# Altium PCB 10515.0462_全联供主板(2拼版)_V1.0.PcbDoc (part 13 of 18)
Units mm, origin at the board's own origin, x right, y up, seen from the top; angles counter-clockwise.
Board outline 282 x 198 mm, 2 copper layers (Top Layer, Bottom Layer); 716 components, 0 nets, 2364 pads, 1800 vias.
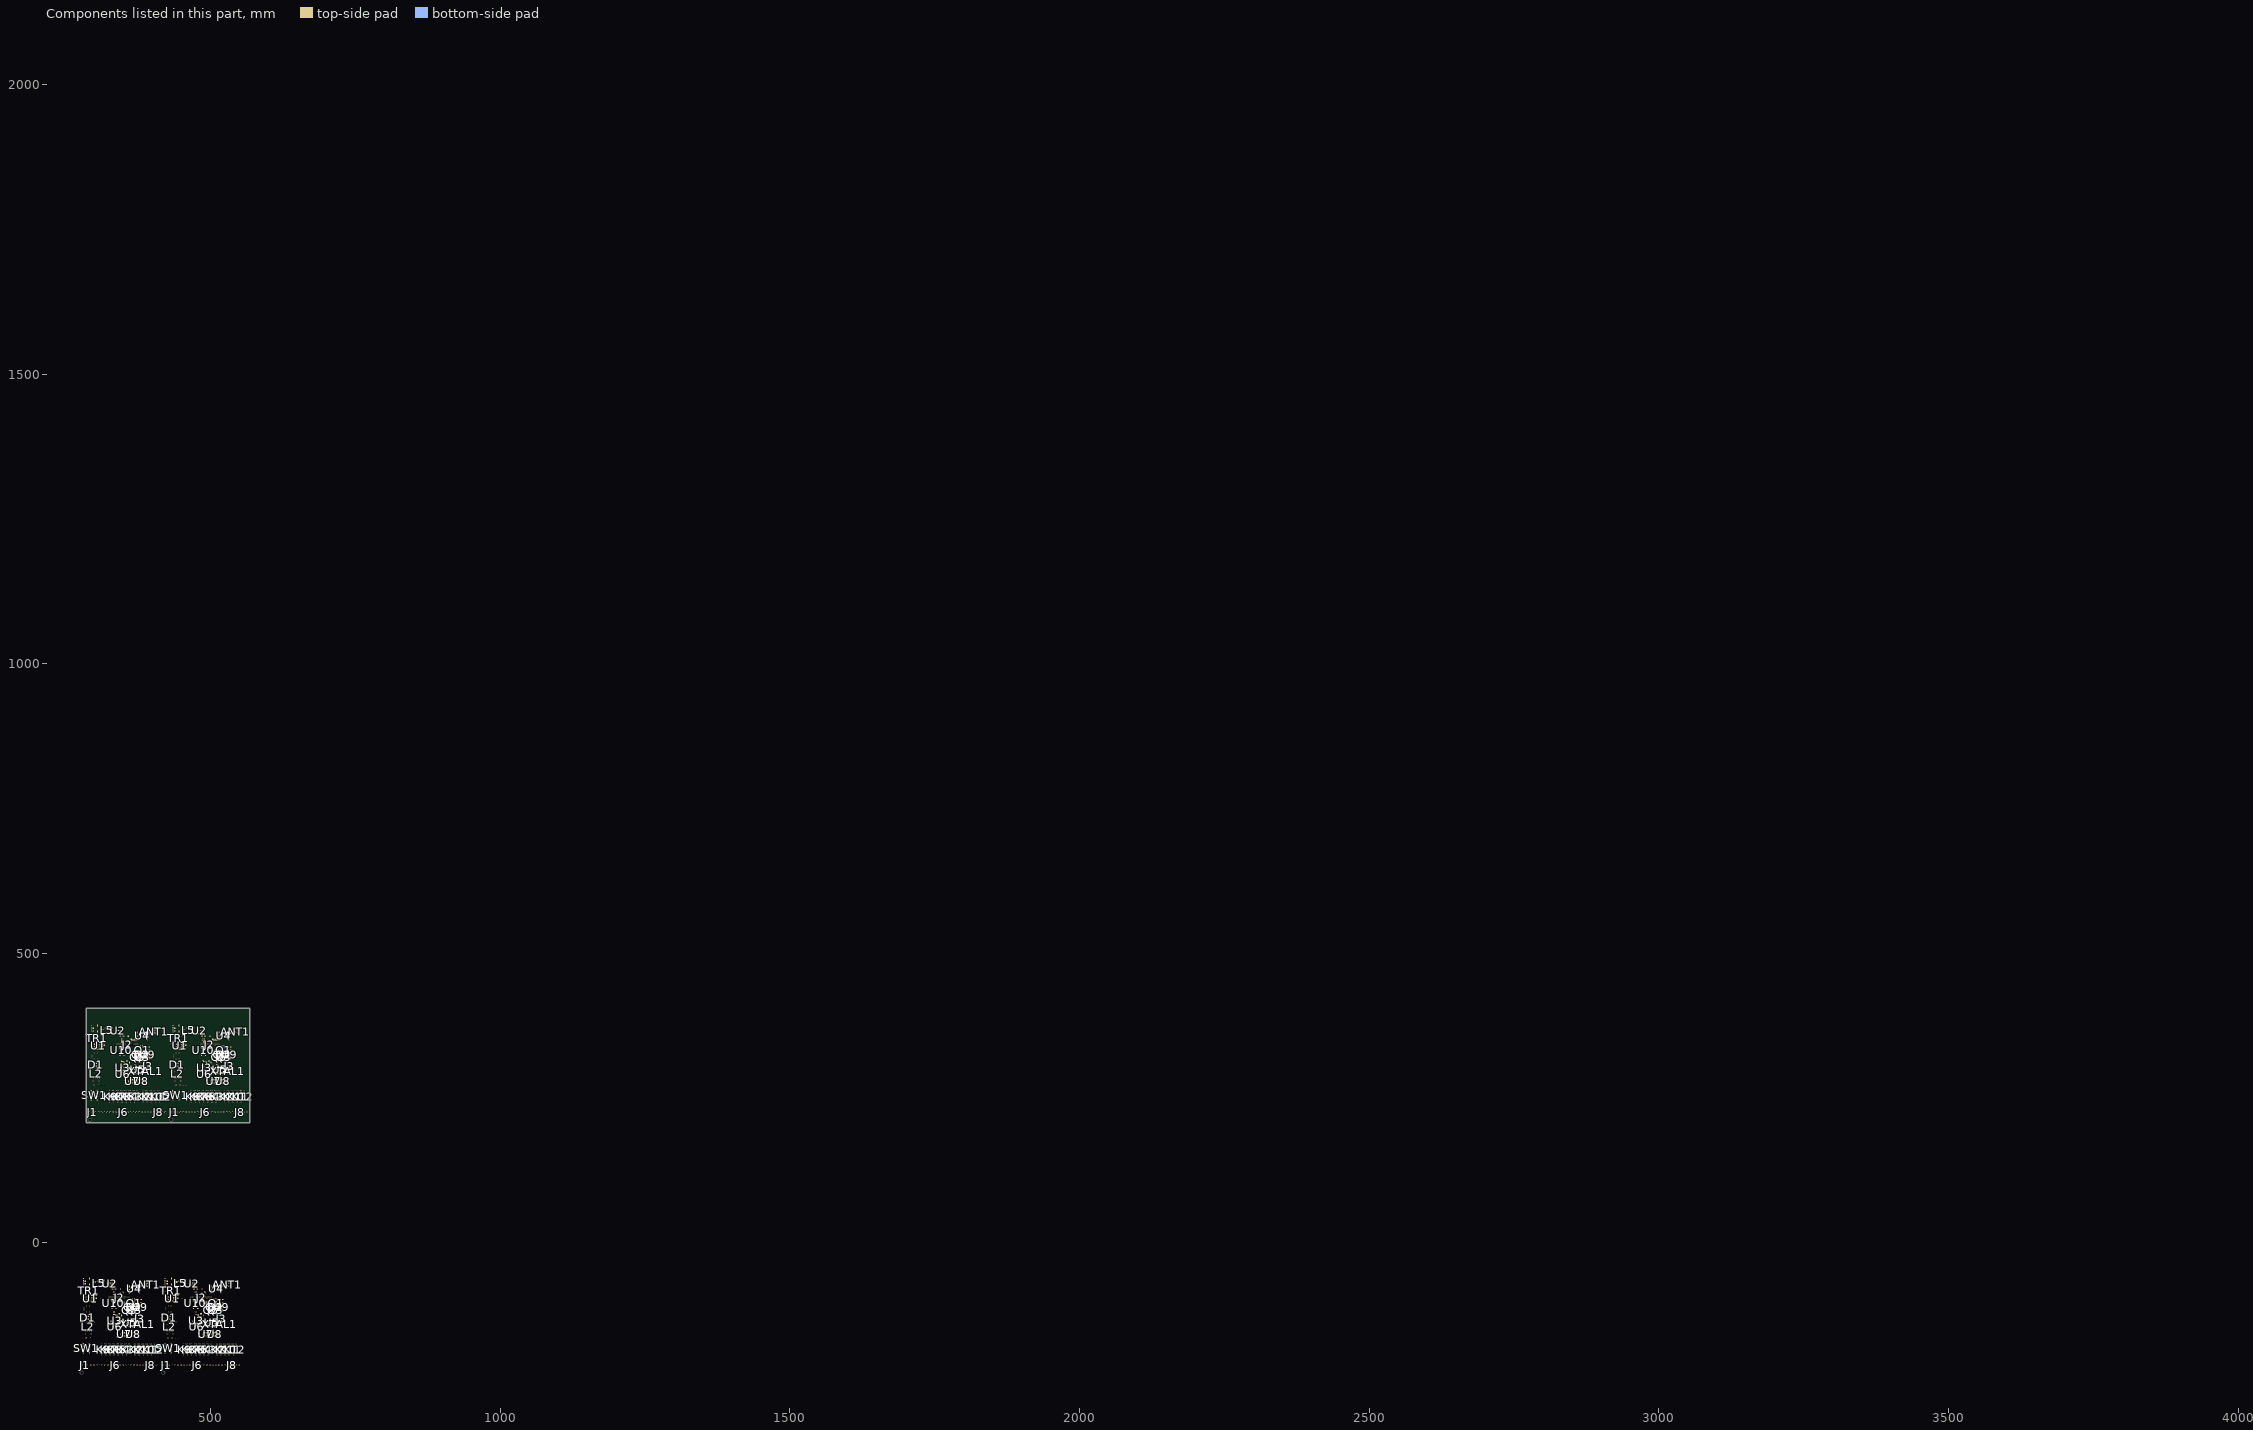
[diagram p13: the components of this part, seen from the top]

## Via types
v1: diameter 0.7, hole 0.4, Top Layer to Bottom Layer, tented both sides, 1800 vias

## Nets (pads, with @x,y where several pads share a name; then routed paths per layer and width w, separated by ;. In a path a pad name is that pad's centre, name@x,y a point inside that pad or via, vN(x,y) a via of type N, cw(c..) or ccw(c..) an arc to the next point about the centre after c; other vN are vias at no path point) (continued)
copper on no net: (continued)
  Top Layer w1.5: 274.137,-177.275 274.137,-179.477 ; 274.3,-175.667 278.491,-175.667 278.999,-176.175 278.11,-177.064 274.808,-177.064 ; 276.55,-177.064 275.298,-178.316 ; 277.951,-137.313 cw(c277.951,-134.711) 276.111,-136.551 ; 278.257,-135.662 ccw(c278.257,-138.697) 276.111,-136.551 ; 278.364,-174.397 274.681,-174.397 273.665,-175.413 273.665,-197.511 281.476,-205.321 ; 278.745,-178.334 278.727,-178.316 275.298,-178.316 ; 278.999,-188.113 280.142,-189.256 280.142,-192.304 ; 280.024,-67.088 280.024,-64.528 ; 280.024,-61.099 282.69,-61.099 283.554,-61.963 283.554,-65.748 ; 280.049,-70.542 283.548,-70.542 ; 280.142,-194.209 280.65,-194.209 288.016,-201.575 ; 280.557,-93.529 283.28,-93.529 ; 280.65,-135.535 284.587,-131.598 285.984,-131.598 285.984,-131.852 282.174,-135.662 277,-135.662 276.111,-136.551 ; 280.86,-139.301 ccw(c283.699,-136.462) 283.699,-140.477 ; 281.192,-115.353 283.317,-115.353 ; 281.192,-112.353 284.401,-112.353 285.677,-111.077 285.677,-108.622 285.677,-109.486 282.809,-112.353 ; 281.301,-138.329 279.888,-138.329 ; 282.809,-211.227 282.809,-205.418 274.137,-196.746 274.137,-179.477 ; v1(283.318,-126.457) 286.088,-126.457 ; 283.326,-93.484 283.326,-90.106 283.605,-89.826 ; 283.326,-90.622 cw(c284.4,-90.622) 283.64,-89.862 ; 283.554,-75.776 283.554,-70.548 ; 283.571,-147.855 283.571,-151.664 283.571,-156.871 ; 283.942,-66.066 cw(c286.674,-68.798) 286.674,-64.934 ; 284.097,-162.546 ccw(c284.951,-161.692) 284.951,-162.899 ; 284.887,-116.924 cw(c283.101,-118.709) 285.627,-118.709 ; 285.123,-110.04 ccw(c283.905,-108.822) 285.627,-108.822 ; 285.54,-202.781 285.54,-202.913 286.391,-203.764 286.391,-210.295 287.081,-210.984 ; 285.677,-118.009 285.677,-117.713 283.317,-115.353 ; 285.727,-119.109 ccw(c289.195,-119.109) 286.743,-121.562 ; 287,-151.664 290.683,-151.664 ; 287.766,259.32 287.766,257.118 ; 287.929,260.928 292.12,260.928 292.628,260.42 291.739,259.531 288.437,259.531 ; 288.917,-126.487 288.917,-123.736 285.677,-120.496 285.677,-118.909 285.677,-116.432 284.599,-115.353 283.317,-115.353 ; 289.286,-132.741 290.175,-133.63 ; 289.298,-132.437 cw(c289.298,-134.248) 290.578,-132.968 ; 289.425,-131.687 291.368,-133.63 ; 289.499,-171.689 284.951,-167.14 ; 289.499,-170.546 288.461,-169.507 ; 289.774,-176.449 288.461,-175.136 288.461,-172.238 ; 289.858,-185.255 290.366,-185.763 300.272,-185.763 ; 289.921,-189.256 302.665,-189.256 ; 290.048,-133.63 291.114,-133.63 ; 290.134,-185.614 290.134,-186.04 290.769,-186.675 301.944,-186.675 304.802,-183.817 ; 290.179,259.531 288.927,258.279 ; 290.261,-185.614 291.064,-184.811 ; 290.302,-184.811 303.808,-184.811 ; 290.677,-109.373 291.953,-110.649 291.953,-117.633 290.677,-118.909 290.677,-108.622 ; 290.677,-102.486 290.677,-108.622 ; 290.727,-108.822 ccw(c292.177,-108.822) 291.152,-109.848 ; 290.81,-187.986 302.582,-187.986 307.066,-183.502 ; 290.86,-133.63 293.604,-133.63 ; 290.89,-62.383 288.339,-64.934 287.762,-64.934 ; 291.58,299.282 cw(c291.58,301.884) 289.74,300.044 ; 291.699,-147.977 cw(c291.699,-151.647) 294.294,-149.052 ; 291.699,-147.727 292.969,-147.727 294.112,-148.87 294.112,-151.664 294.112,-156.465 292.352,-158.225 292.352,-164.566 ; 291.728,-140.479 ccw(c292.133,-136.985) 294.62,-139.472 ; 291.785,-147.962 cw(c292.382,-149.584) 293.604,-148.362 ; 291.886,300.933 ccw(c291.886,297.898) 289.74,300.044 ; 291.993,262.198 288.31,262.198 287.294,261.182 287.294,239.084 295.104,231.274 ; 292.023,-103.601 297.611,-103.601 ; 292.175,-164.14 ccw(c288.479,-160.444) 293.706,-160.444 ; 292.207,-105.055 293.477,-105.055 291.699,-103.277 291.699,-107.214 ; 292.352,-164.066 ccw(c292.352,-162.859) 293.205,-163.713 ; 292.374,258.261 292.356,258.279 288.927,258.279 ; 292.461,-213.398 cw(c295.375,-213.398) 293.315,-211.338 ; 292.461,-103.601 ccw(c292.461,-99.86) 295.106,-102.505 ; 292.628,248.482 293.771,247.339 293.771,244.291 ; 292.961,-218.816 292.961,-217.45 ; 293.059,-102.505 ccw(c295.704,-99.86) 295.704,-103.601 ; 293.527,-156.692 ccw(c292.113,-155.278) 294.112,-155.278 ; 293.652,369.508 293.652,372.068 ; 293.652,375.497 296.319,375.497 297.183,374.633 297.183,370.848 ; 293.678,366.053 297.177,366.053 ; 293.706,-156.871 293.706,-163.212 292.352,-164.566 ; 293.771,242.386 294.279,242.386 301.645,235.02 ; 294.186,343.066 296.909,343.066 ; 294.279,301.06 298.216,304.997 299.613,304.997 299.613,304.743 295.803,300.933 290.629,300.933 289.74,300.044 ; 294.489,297.294 ccw(c297.328,300.133) 297.328,296.118 ; 294.821,321.242 296.946,321.242 ; 294.821,324.242 298.029,324.242 299.306,325.518 299.306,327.973 299.306,327.11 296.438,324.242 ; 294.93,298.266 293.517,298.266 ; 295.21,-102.497 ccw(c297.611,-100.438) 297.611,-103.601 ; 296.438,225.368 296.438,231.177 287.766,239.849 287.766,257.118 ; v1(296.947,310.139) 299.717,310.139 ; 296.954,343.112 296.954,346.49 297.234,346.769 ; 296.954,345.974 cw(c298.029,345.974) 297.269,346.734 ; 297.183,360.82 297.183,366.048 ; 297.2,288.74 297.2,284.931 297.2,279.724 ; 297.571,370.529 cw(c300.303,367.798) 300.303,371.661 ; 297.726,274.05 ccw(c298.579,274.903) 298.579,273.696 ; 297.795,-164.491 297.72,-164.566 ; 297.961,-210.984 297.961,-208.439 311.671,-194.729 311.671,-192.812 ; 298.516,319.672 cw(c296.73,317.886) 299.256,317.886 ; 298.684,-138.71 ccw(c297.023,-137.048) 299.319,-136.551 ; 298.752,326.556 ccw(c297.534,327.773) 299.256,327.773 ; 299.008,-102.204 297.611,-103.601 ; 299.168,233.814 299.168,233.683 300.02,232.831 300.02,226.301 300.71,225.611 ; 299.306,318.586 299.306,318.882 296.946,321.242 ; 299.356,317.486 ccw(c302.824,317.486) 300.372,315.034 ; 299.573,-186.675 299.573,-186.462 ; 300.629,284.931 304.312,284.931 ; 300.97,-219.314 301.426,-218.858 ; 301.138,-186.675 302.875,-184.938 ; 302.05,-185.763 300.272,-185.763 ; 302.157,-186.462 299.573,-186.462 ; 302.211,-81.208 ccw(c303.675,-79.744) v1@303.675,-81.814 ; v1@302.514,-81.199 303.129,-81.814 305.542,-81.814 312.781,-81.814 ; 302.546,310.108 302.546,312.86 299.306,316.1 299.306,317.686 299.306,320.164 298.227,321.242 296.946,321.242 ; 302.875,-169.825 302.875,-164.491 ; 302.915,303.854 303.804,302.965 ; 302.927,304.158 cw(c302.927,302.347) 304.207,303.628 ; 302.961,-218.656 302.961,-217.323 ; 302.961,-210.984 302.961,-217.323 ; 303.054,304.908 304.996,302.965 ; 303.128,264.906 298.579,269.455 ; 303.128,266.049 302.089,267.088 ; 303.402,260.146 302.089,261.459 302.089,264.357 ; 303.453,-82.138 ccw(c303.637,-81.953) 303.637,-82.214 ; 303.486,251.34 303.994,250.832 313.9,250.832 ; 303.55,247.339 316.294,247.339 ; 303.677,302.965 304.742,302.965 ; 303.763,250.981 303.763,250.555 304.398,249.92 315.573,249.92 318.431,252.778 ; 303.88,-174.905 303.88,-174.016 ; 303.89,250.981 304.693,251.784 ; 303.931,251.784 317.437,251.784 ; 303.944,-73.666 cw(c301.467,-76.143) 304.971,-76.143 ; 304.306,327.222 305.582,325.946 305.582,318.962 304.306,317.686 304.306,327.973 ; 304.306,334.109 304.306,327.973 ; 304.356,327.773 ccw(c305.806,327.773) 304.78,326.748 ; 304.439,248.609 316.211,248.609 320.695,253.093 ; 304.488,302.965 307.233,302.965 ; 304.519,374.212 301.967,371.661 301.391,371.661 ; 305.328,288.618 cw(c305.328,284.949) 307.923,287.544 ; 305.328,288.868 306.598,288.868 307.741,287.725 307.741,284.931 307.741,280.131 305.98,278.37 305.98,272.029 ; 305.357,296.117 ccw(c305.762,299.61) 308.249,297.123 ; 305.414,288.634 cw(c306.01,287.011) 307.233,288.234 ; 305.437,-183.944 306.031,-184.537 ; 305.652,332.994 311.24,332.994 ; 305.804,272.456 ccw(c302.108,276.152) 307.334,276.152 ; 305.836,331.54 307.106,331.54 305.328,333.318 305.328,329.381 ; 305.923,-179.477 305.288,-178.842 ; 305.98,272.529 ccw(c305.98,273.736) 306.834,272.883 ; 306.006,-182.779 305.923,-182.696 304.802,-183.817 ; 306.09,332.994 ccw(c306.09,336.735) 308.735,334.09 ; 306.09,223.197 cw(c309.004,223.197) 306.943,225.258 ; 306.094,-183.966 313.543,-183.966 ; 306.304,-79.274 304.971,-77.94 ; 306.59,217.779 306.59,219.145 ; 306.688,334.09 ccw(c309.333,336.735) 309.333,332.994 ; 307.155,279.904 ccw(c305.742,281.317) 307.741,281.317 ; 307.334,279.724 307.334,273.383 305.98,272.029 ; 307.657,-186.252 314.051,-186.252 ; 307.955,-183.966 302.665,-189.256 ; 307.961,-210.984 307.961,-206.694 318.856,-195.799 318.856,-192.939 ; 308.574,-182.255 306.453,-182.255 ; 308.839,334.098 ccw(c311.24,336.157) 311.24,332.994 ; 308.971,-183.966 308.971,-184.938 304.653,-189.256 303.764,-189.256 ; 309.098,-182.779 307.066,-180.747 ; 310.484,-185.065 375.508,-185.065 ; 311.424,272.104 311.348,272.029 ; 311.59,225.611 311.59,228.156 325.3,241.866 325.3,243.783 ; 311.671,-186.252 314.051,-186.252 ; 311.765,-185.827 311.765,-185.7 ; 311.765,-183.541 306.05,-189.256 303.764,-189.256 ; 311.777,-186.008 cw(c314.054,-188.285) 314.054,-185.065 ; 312.063,-183.966 307.066,-178.969 ; 312.288,-185.065 cw(c312.288,-185.788) 312.998,-185.656 ; 312.313,297.886 ccw(c310.651,299.547) 312.948,300.044 ; 312.637,334.391 311.24,332.994 ; 312.961,-218.585 312.961,-217.536 ; 312.961,-210.984 312.961,-217.323 ; 313.202,249.92 313.202,250.133 ; 313.83,-186.252 314.051,-186.252 ; 313.83,-183.966 312.204,-182.34 ; 314.599,217.282 315.054,217.737 ; 314.767,249.92 316.504,251.657 ; 315.575,-158.014 317.226,-159.665 333.99,-159.665 336.271,-161.946 337.92,-161.946 334.609,-158.635 317.734,-158.635 316.38,-157.281 316.38,-156.871 ; 315.678,250.832 313.9,250.832 ; 315.702,-186.252 315.702,-185.838 312.204,-182.34 ; 315.786,250.133 313.202,250.133 ; 315.84,355.388 ccw(c317.303,356.851) v1@317.303,354.781 ; v1@316.143,355.397 316.758,354.781 319.171,354.781 326.41,354.781 ; 316.362,-153.703 316.362,-82.982 315.194,-81.814 313.67,-81.814 ; 316.362,-84.354 313.822,-81.814 313.67,-81.814 ; 316.38,-157.803 316.38,-156.871 ; 316.38,-153.712 316.38,-155.855 ; 316.464,-158.776 315.448,-157.76 315.448,-84.862 312.781,-82.195 312.781,-81.814 ; 316.473,-185.065 cw(c316.473,-188.285) 318.75,-186.008 ; 316.504,266.77 316.504,272.104 ; 316.59,217.939 316.59,219.272 ; 316.59,225.611 316.59,219.272 ; 317.082,354.458 ccw(c317.266,354.642) 317.266,354.381 ; 317.509,261.69 317.509,262.579 ; 317.573,362.93 cw(c315.095,360.452) 318.599,360.452 ; 317.961,-210.984 317.961,-204.396 321.914,-200.443 322.433,-200.443 ; 317.961,-204.916 322.433,-200.443 ; 318.962,-186.008 cw(c321.239,-188.285) 321.239,-185.065 ; 319.066,252.651 319.659,252.058 ; 319.16,-158.635 316.38,-155.855 ; 319.552,257.118 318.917,257.753 ; 319.635,253.816 319.552,253.899 318.431,252.778 ; 319.723,252.629 327.172,252.629 ; 319.933,357.321 318.599,358.655 ; 320.655,-156.617 318.623,-154.585 318.623,-81.052 ; 321.286,250.343 327.68,250.343 ; 321.584,252.629 316.294,247.339 ; 321.59,225.611 321.59,229.901 332.485,240.796 332.485,243.656 ; 322.052,-200.332 326.016,-196.368 ; 322.202,254.341 320.082,254.341 ; 322.6,252.629 322.6,251.657 318.282,247.339 317.393,247.339 ; 322.727,253.816 320.695,255.848 ; 322.961,-218.618 322.961,-217.323 ; 322.961,-210.984 322.961,-217.323 ; 323.633,-185.065 cw(c323.633,-188.285) 325.91,-186.008 ; 324.113,251.53 389.137,251.53 ; 325.1,-219.462 324.496,-218.858 ; 325.3,250.343 327.68,250.343 ; 325.394,250.768 325.394,250.895 ; 325.394,253.054 319.679,247.339 317.393,247.339 ; 325.406,250.587 cw(c327.683,248.311) 327.683,251.53 ; 325.692,252.629 320.695,257.626 ; 325.917,251.53 cw(c325.917,250.808) 326.627,250.94 ; 326.016,-192.939 326.016,-196.368 ; 326.122,-186.008 cw(c328.399,-188.285) 328.399,-185.065 ; 326.59,218.01 326.59,219.06 ; 326.59,225.611 326.59,219.272 ; 327.459,250.343 327.68,250.343 ; 327.459,252.629 325.833,254.255 ; 327.961,-210.984 327.961,-204.982 333.175,-199.768 333.175,-193.066 ; 329.204,278.581 330.855,276.93 347.619,276.93 349.9,274.649 351.549,274.649 348.238,277.96 331.363,277.96 330.009,279.315 330.009,279.724 ; 329.331,250.343 329.331,250.757 325.833,254.255 ; 329.991,282.892 329.991,353.614 328.823,354.781 327.299,354.781 ; 329.991,352.241 327.451,354.781 327.299,354.781 ; 330.009,278.793 330.009,279.724 ; 330.009,282.884 330.009,280.74 ; 330.093,277.819 329.077,278.835 329.077,351.733 326.41,354.4 326.41,354.781 ; 330.102,251.53 cw(c330.102,248.311) 332.379,250.587 ; 330.793,-185.065 cw(c330.793,-188.285) 333.069,-186.008 ; 331.59,225.611 331.59,232.199 335.542,236.152 336.062,236.152 ; 331.59,231.68 336.062,236.152 ; 332.591,250.587 cw(c334.868,248.311) 334.868,251.53 ; 332.789,277.96 330.009,280.74 ; 332.961,-218.778 332.961,-217.323 ; 332.961,-210.984 332.961,-217.323 ; 333.282,-186.008 cw(c335.558,-188.285) 335.558,-185.065 ; 334.284,279.978 332.252,282.01 332.252,355.543 ; 335.681,236.264 339.645,240.227 ; 336.59,217.977 336.59,219.272 ; 336.59,225.611 336.59,219.272 ; 337.262,251.53 cw(c337.262,248.311) 339.539,250.587 ; 337.952,-185.065 cw(c337.952,-188.285) 340.229,-186.008 ; 337.961,-210.984 337.961,-203.745 340.335,-201.371 340.335,-193.066 ; 338.729,217.133 338.125,217.737 ; 339.645,243.656 339.645,240.227 ; 339.751,250.587 cw(c342.027,248.311) 342.027,251.53 ; 340.441,-186.008 cw(c342.718,-188.285) 342.718,-185.065 ; 341.59,225.611 341.59,231.613 346.804,236.828 346.804,243.529 ; 342.961,-218.778 342.961,-217.254 ; 342.961,-210.984 342.961,-217.196 ; 344.421,251.53 cw(c344.421,248.311) 346.698,250.587 ; 345.112,-185.065 cw(c345.112,-188.285) 347.389,-186.008 ; 346.59,217.817 346.59,219.272 ; 346.59,225.611 346.59,219.272 ; 346.91,250.587 cw(c349.187,248.311) 349.187,251.53 ; 347.495,-210.518 347.495,-193.193 ; 347.495,-208.652 ccw(c350.294,-208.652) 348.315,-210.631 ; 347.601,-186.008 cw(c349.878,-188.285) 349.878,-185.065 ; 350.754,-219.53 351.426,-218.858 ; 351.581,251.53 cw(c351.581,248.311) 353.858,250.587 ; 351.59,225.611 351.59,232.85 353.964,235.224 353.964,243.529 ; 352.214,-185.065 cw(c352.214,-188.285) 354.491,-186.008 ; 352.961,-218.844 352.961,-217.323 ; 352.961,-210.984 352.961,-217.323 ; 354.07,250.587 cw(c356.347,248.311) 356.347,251.53 ; 354.597,-193.252 354.597,-203.744 357.961,-207.108 357.961,-210.984 ; 354.703,-186.008 cw(c356.98,-188.285) 356.98,-185.065 ; 355.072,-219.434 354.496,-218.858 ; 356.59,217.817 356.59,219.342 ; 356.59,225.611 356.59,219.399 ; 358.741,251.53 cw(c358.741,248.311) 361.017,250.587 ; 361.124,226.077 361.124,243.402 ; 361.124,227.944 ccw(c363.923,227.944) 361.943,225.965 ; 361.23,250.587 cw(c363.506,248.311) 363.506,251.53 ; 362.961,-218.712 362.961,-217.465 ; 362.961,-210.984 362.961,-217.196 ; 364.383,217.066 365.054,217.737 ; 365.843,251.53 cw(c365.843,248.311) 368.12,250.587 ; 366.59,217.751 366.59,219.272 ; 366.59,225.611 366.59,219.272 ; 367.38,-185.065 cw(c367.38,-187.851) 369.35,-185.881 ; 367.961,-210.984 367.961,-194.02 369.296,-192.685 ; 367.961,-195.733 369.456,-194.238 369.456,-192.812 ; 367.961,-194.62 369.456,-193.125 ; 368.226,243.343 368.226,232.851 371.59,229.487 371.59,225.611 ; 368.332,250.587 cw(c370.609,248.311) 370.609,251.53 ; 368.602,-193.979 cw(c369.456,-194.832) 369.456,-193.625 ; 368.701,217.161 368.125,217.737 ; 369.562,-185.881 cw(c371.532,-187.851) 371.532,-185.065 ; 372.961,-210.984 372.961,-217.132 ; 374.492,-185.065 cw(c374.492,-187.851) 376.462,-185.881 ; 375.714,-185.271 ccw(c376.568,-184.418) 376.568,-185.625 ; 376.421,-185.806 ccw(c375.508,-185.998) 375.508,-185.065 ; 376.568,-192.812 376.568,-201.966 377.961,-203.359 377.961,-210.984 ; 376.59,217.883 376.59,219.131 ; 376.59,225.611 376.59,219.399 ; 381.009,251.53 cw(c381.009,248.744) 382.979,250.714 ; 381.59,225.611 381.59,242.575 382.925,243.91 ; 381.59,240.862 383.085,242.358 383.085,243.783 ; 381.59,241.975 383.085,243.47 ; 382.231,242.617 cw(c383.085,241.763) 383.085,242.97 ; 383.019,-210.758 ccw(c381.408,-209.146) 383.687,-209.146 ; 383.191,250.714 cw(c385.161,248.744) 385.161,251.53 ; 383.687,-210.797 383.687,-192.939 ; 383.687,-186.125 385.746,-186.125 387.364,-187.743 387.364,-203.491 388.373,-204.5 388.373,-211.111 ; 386.59,225.611 386.59,219.463 ; 388.121,251.53 cw(c388.121,248.744) 390.091,250.714 ; 389.343,251.324 ccw(c390.197,252.178) 390.197,250.97 ; 390.05,250.79 ccw(c389.137,250.597) 389.137,251.53 ; 390.197,243.783 390.197,234.629 391.59,233.236 391.59,225.611 ; 390.799,-192.939 390.799,-202.227 393.373,-204.801 393.373,-211.111 ; 390.799,-186.625 cw(c390.799,-187.832) 391.653,-186.979 ; 390.799,-186.125 393.968,-189.294 393.968,-199.935 398.373,-204.34 398.373,-211.111 ; 396.648,225.838 ccw(c395.037,227.449) 397.316,227.449 ; 397.316,225.798 397.316,243.656 ; 397.316,250.47 399.374,250.47 400.993,248.852 400.993,233.104 402.002,232.095 402.002,225.484 ; 398.038,-192.812 398.038,-199.433 403.373,-204.768 403.373,-211.111 ; 398.038,-186.625 cw(c398.038,-190.962) 401.105,-187.895 ; 398.038,-186.125 399.335,-186.125 402.604,-189.394 ; 398.104,-186.61 cw(c398.895,-188.211) 400.158,-186.948 ; 402.604,-189.256 402.604,-197.522 408.373,-203.291 408.373,-211.111 ; 404.428,243.656 404.428,234.368 407.002,231.794 407.002,225.484 ; 404.428,249.97 cw(c404.428,248.763) 405.281,249.617 ; 404.428,250.47 407.597,247.301 407.597,236.66 412.002,232.255 412.002,225.484 ; 411.667,243.783 411.667,237.162 417.002,231.827 417.002,225.484 ; 411.667,249.97 cw(c411.667,245.633) 414.734,248.7 ; 411.667,250.47 412.963,250.47 416.233,247.201 ; 411.733,249.986 cw(c412.524,248.384) 413.787,249.647 ; 415.137,-177.275 415.137,-179.477 ; 415.3,-175.667 419.491,-175.667 419.999,-176.175 419.11,-177.064 415.808,-177.064 ; 416.233,247.339 416.233,239.073 422.002,233.304 422.002,225.484 ; 417.55,-177.064 416.298,-178.316 ; 418.951,-137.313 cw(c418.951,-134.711) 417.111,-136.551 ; 419.257,-135.662 ccw(c419.257,-138.697) 417.111,-136.551 ; 419.364,-174.397 415.681,-174.397 414.665,-175.413 414.665,-197.511 422.476,-205.321 ; 419.745,-178.334 419.727,-178.316 416.298,-178.316 ; 419.999,-188.113 421.142,-189.256 421.142,-192.304 ; 421.024,-67.088 421.024,-64.528 ; 421.024,-61.099 423.69,-61.099 424.554,-61.963 424.554,-65.748 ; 421.049,-70.542 424.548,-70.542 ; 421.142,-194.209 421.65,-194.209 429.016,-201.575 ; 421.557,-93.529 424.28,-93.529 ; 421.65,-135.535 425.587,-131.598 426.984,-131.598 426.984,-131.852 423.174,-135.662 418,-135.662 417.111,-136.551 ; 421.86,-139.301 ccw(c424.699,-136.462) 424.699,-140.477 ; 422.192,-115.353 424.317,-115.353 ; 422.192,-112.353 425.401,-112.353 426.677,-111.077 426.677,-108.622 426.677,-109.486 423.809,-112.353 ; 422.301,-138.329 420.888,-138.329 ; 423.809,-211.227 423.809,-205.418 415.137,-196.746 415.137,-179.477 ; v1(424.318,-126.457) 427.088,-126.457 ; 424.326,-93.484 424.326,-90.106 424.605,-89.826 ; 424.326,-90.622 cw(c425.4,-90.622) 424.64,-89.862 ; 424.554,-75.776 424.554,-70.548 ; 424.571,-147.855 424.571,-151.664 424.571,-156.871 ; 424.942,-66.066 cw(c427.674,-68.798) 427.674,-64.934 ; 425.097,-162.546 ccw(c425.951,-161.692) 425.951,-162.899 ; 425.887,-116.924 cw(c424.101,-118.709) 426.627,-118.709 ; 426.123,-110.04 ccw(c424.905,-108.822) 426.627,-108.822 ; 426.54,-202.781 426.54,-202.913 427.391,-203.764 427.391,-210.295 428.081,-210.984 ; 426.677,-118.009 426.677,-117.713 424.317,-115.353 ; 426.727,-119.109 ccw(c430.195,-119.109) 427.743,-121.562 ; 428,-151.664 431.683,-151.664 ; 428.766,259.32 428.766,257.118 ; 428.929,260.928 433.12,260.928 433.628,260.42 432.739,259.531 429.437,259.531 ; 429.917,-126.487 429.917,-123.736 426.677,-120.496 426.677,-118.909 426.677,-116.432 425.599,-115.353 424.317,-115.353 ; 430.286,-132.741 431.175,-133.63 ; 430.298,-132.437 cw(c430.298,-134.248) 431.578,-132.968 ; 430.425,-131.687 432.368,-133.63 ; 430.499,-171.689 425.951,-167.14 ; 430.499,-170.546 429.461,-169.507 ; 430.774,-176.449 429.461,-175.136 429.461,-172.238 ; 430.858,-185.255 431.366,-185.763 441.272,-185.763 ; 430.921,-189.256 443.665,-189.256 ; 431.048,-133.63 432.114,-133.63 ; 431.134,-185.614 431.134,-186.04 431.769,-186.675 442.944,-186.675 445.802,-183.817 ; 431.179,259.531 429.927,258.279 ; 431.261,-185.614 432.064,-184.811 ; 431.302,-184.811 444.808,-184.811 ; 431.677,-109.373 432.953,-110.649 432.953,-117.633 431.677,-118.909 431.677,-108.622 ; 431.677,-102.486 431.677,-108.622 ; 431.727,-108.822 ccw(c433.177,-108.822) 432.152,-109.848 ; 431.81,-187.986 443.582,-187.986 448.066,-183.502 ; 431.86,-133.63 